# Allegro board 2522-mb-pro_vc.brd (continued)
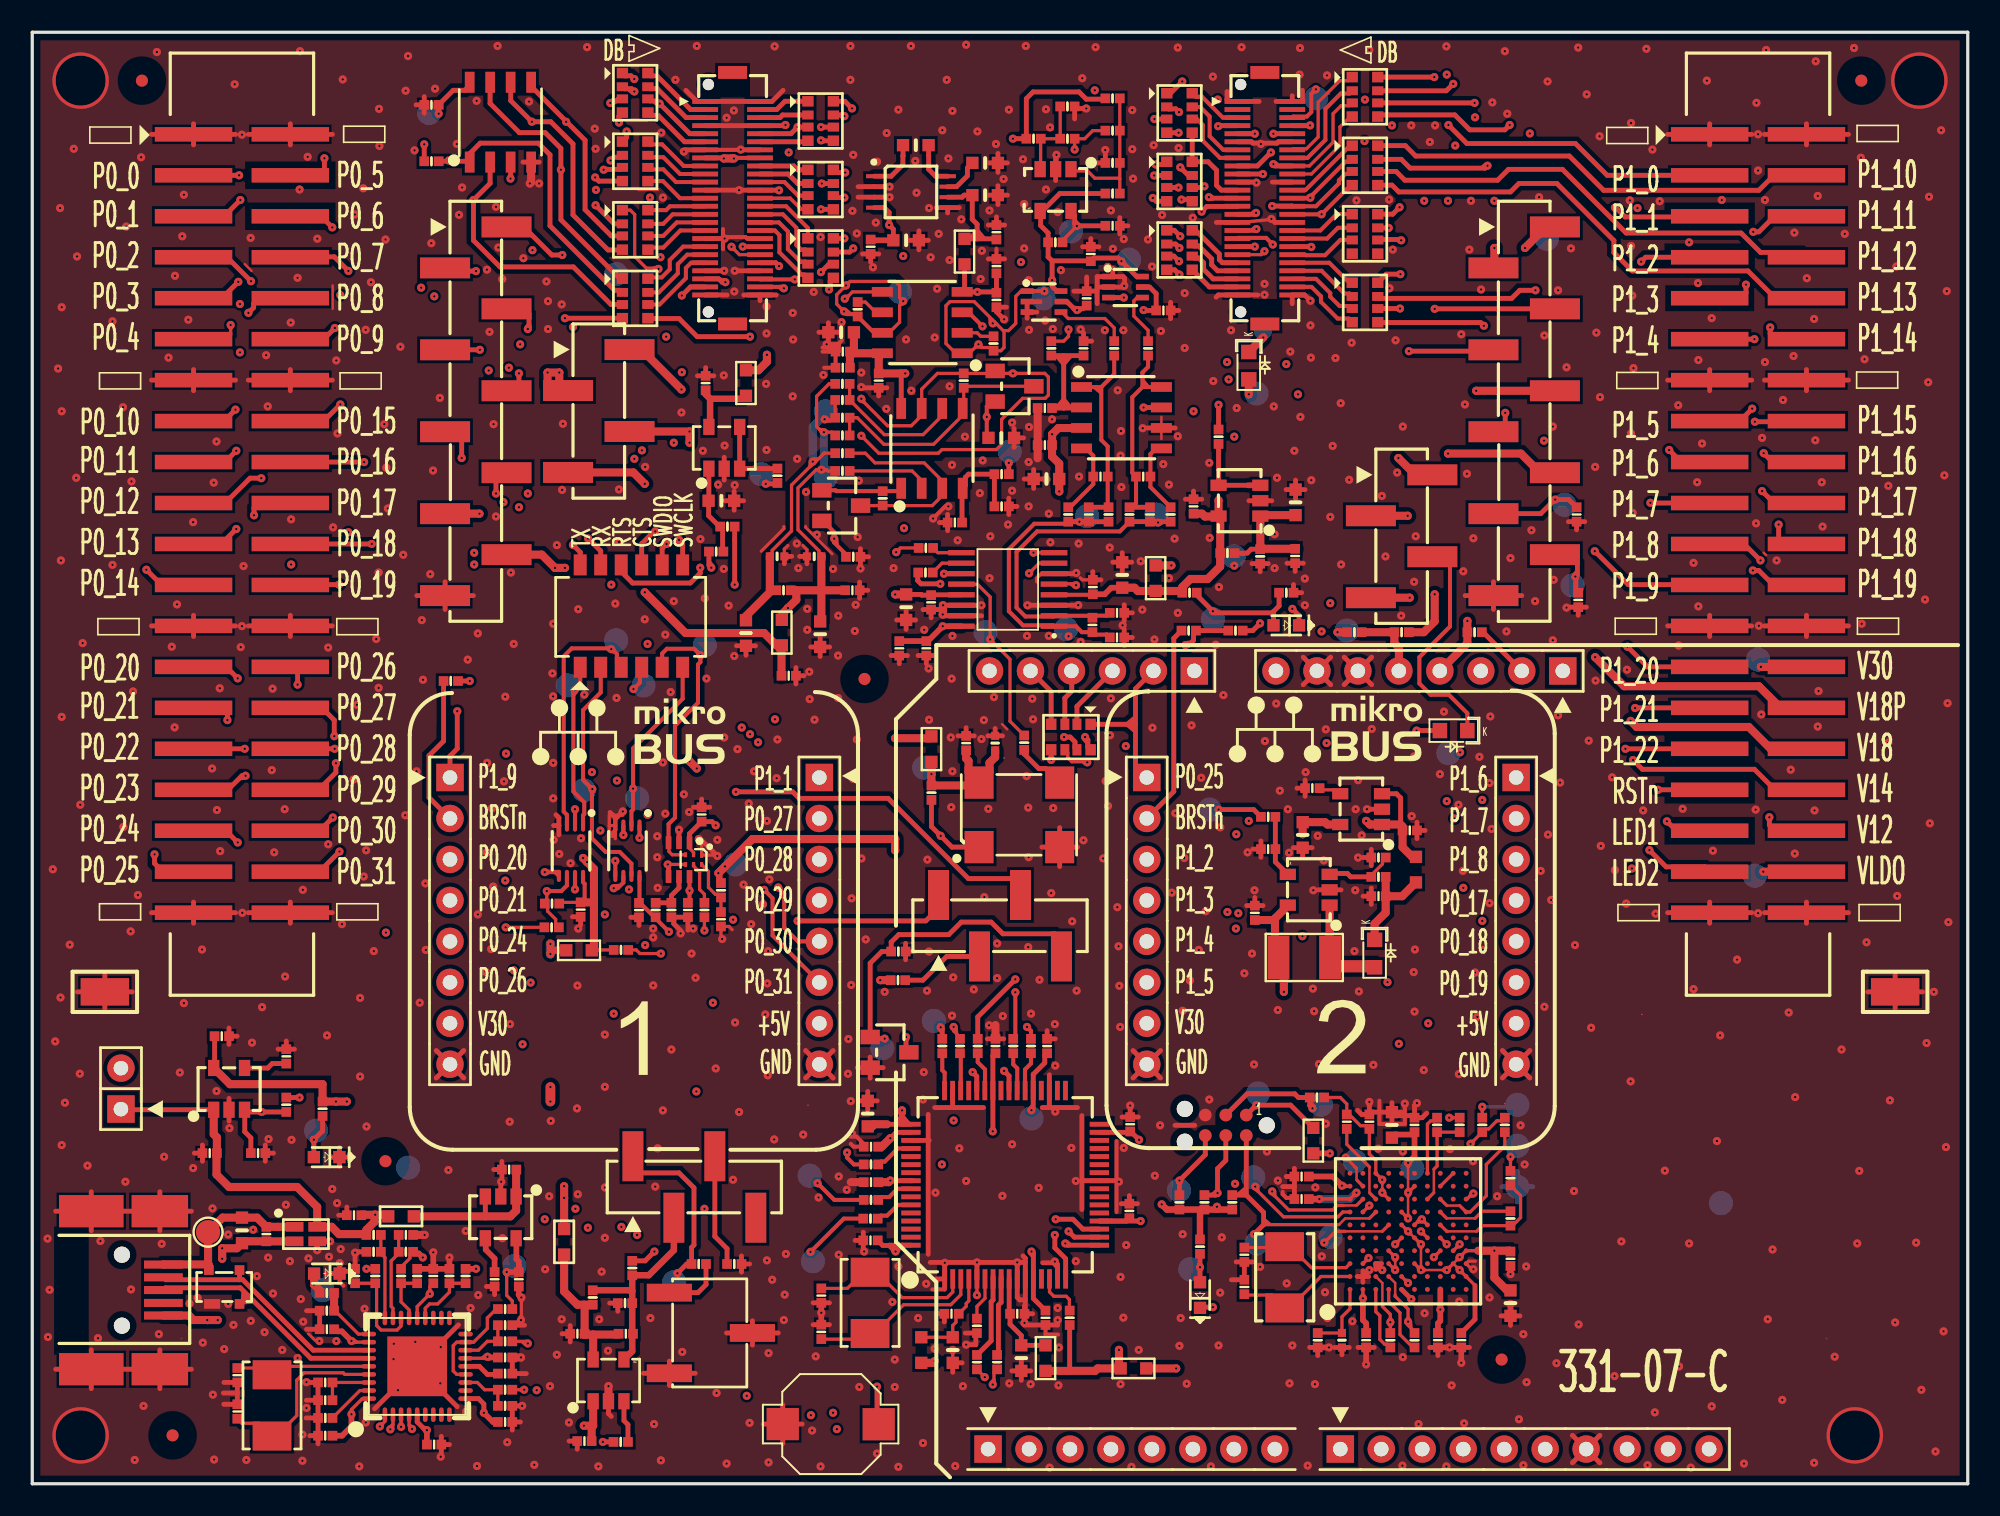
[diagram p0: board, top side]
## Routing (per net, layer and track width the routed paths; a pad name or vN(x,y) marks a point on that pad's centre or on a via; arc(x,y) is an arc through that point) (continued)
V12: length 66.4
  TOP w0.3: C103.1 95.7,55.4 95.7,56.23 v1(95.67,56.25) 95.8,56.38 95.8,57.1 95.29,57.61 J20.9 ; v1(107.7,41.33) 107.7,40.85 108.06,40.49 J4.36 ; v1(75.88,78.8) 75.78,78.71 J2.29
  L3_INT2 w0.15: v1(78.47,67.55) 85.5,60.52 90.78,60.52 95.05,56.25 v1(95.67,56.25) 102.5,56.25 107.7,51.05 v1(107.7,41.33)
  L5_INT4 w0.15: v1(78.47,67.55) 78.47,76.08 75.88,78.68 v1(75.88,78.8)
  BOTTOM w0.5: v1(95.67,56.25) 95.69,56.22 TP31.1
V14: length 72.3
  TOP w0.3: v1(72.95,79.78) 73.03,79.78 73.09,79.71 J2.25 ; v1(99.25,44.88) 99.83,44.3 106.77,44.3 108.04,43.03 J4.34 ; J20.8 93.53,60.15 94.4,61.02 v1(94.42,61.02) 95.27,61.02 C102.2
  L3_INT2 w0.15: v1(74.17,68.47) 74.62,68.03 78.65,68.03 85.65,61.02 v1(94.42,61.02)
  L5_INT4 w0.15: v1(94.42,61.02) 97.55,57.9 97.55,47.77 99.25,46.07 v1(99.25,44.88) ; v1(72.95,79.78) 72.97,79.75 72.97,69.67 v1(74.17,68.47)
V18: length 136.5
  TOP w0.3: v1(72.5,78.87) 72.83,79.2 74.71,79.2 J2.27 ; U2.8 27.12,86.7 26.82,86.4 26.1,86.4 C92.2 v1(25.2,84.95) ; R92.2 v1(24.3,83.05)
  TOP w0.5: J20.1 93.86,77.93 v1(92.55,76.62) ; v1(99.1,47.3) 99.47,46.92 106.42,46.92 107.78,45.57 J4.32
  L3_INT2 w0.3: v1(25.2,84.95) 25.27,85.03 42.38,85.03 43.17,85.83 v1(73.5,85.83)
  L3_INT2 w0.5: v1(73.5,85.83) v1(82.62,85.83)
  L5_INT4 w0.4: v1(24.3,83.05) 24.3,84.06 v1(25.2,84.95)
  L5_INT4 w0.5: v1(99.1,47.3) 98.2,48.2 98.2,58.3 92.55,63.95 v1(92.55,76.62) 92.55,80.52 87.25,85.83 v1(82.62,85.83) ; v1(72.5,78.87) 71.97,79.4 71.97,83.78 73.5,85.3 v1(73.5,85.83)
V18P: length 64.1
  TOP w0.3: v1(76.8,82.55) 75.96,81.71 J2.17
  TOP w0.5: J4.30 108.39,48.11 107.05,49.45 98.7,49.45 v1(96.9,51.25) ; J20.2 90.65,75.44 v1(90.65,76.62)
  L3_INT2 w0.5: v1(76.8,82.55) 77.45,82.55 78.15,81.85 88.35,81.85 v1(90.65,79.55)
  L5_INT4 w0.5: v1(90.65,79.55) v1(90.65,76.62) 90.65,63.05 96.9,56.8 v1(96.9,51.25)
V30: length 187.7
  TOP w0.3: v1(42.1,56.8) 41.95,56.95 R3.1 ; J2.19 v1(76.3,81.21)
  TOP w0.5: v1(88.98,53.5) R143.2 88.98,52.11 J11.4 ; 25.95,28.6 J15.7 ; J20.7 93.48,62.69 92.3,63.88 v1(87.78,63.88) ; J4.28 v1(107.17,50.65)
  L3_INT2 w0.5: J15.7 27.18,29.82 v1(42.2,29.82) 67.83,29.82 J17.7 v1(86.55,28.55) ; J11.4 88.72,48.95 105.47,48.95 v1(107.17,50.65) ; v1(87.78,79.55) 86.4,80.92 76.58,80.92 v1(76.3,81.21)
  L5_INT4 w0.2: v1(42.2,29.82) 42.2,35.2 41.83,35.58 41.83,41.2 42.33,41.7 42.33,56.58 v1(42.1,56.8)
  L5_INT4 w0.5: J11.4 87.27,50.2 86.57,49.5 86.57,28.57 v1(86.55,28.55) ; v1(87.78,79.55) v1(87.78,63.88) 87.78,54.7 v1(88.98,53.5)
VBAT: length 33.7
  TOP w0.3: J2.9 v1(75.8,83.71) ; J20.6 91.03,65.23 91.33,65.53 v1(91.33,66.4)
  L3_INT2 w0.15: v1(88.22,82.97) 87.88,82.62 78.42,82.62 77.9,83.15 76.78,83.15 76.22,83.71 v1(75.8,83.71)
  L5_INT4 w0.15: v1(88.22,82.97) 91.33,79.88 v1(91.33,66.4)
VBAT_IN: length 129.2
  TOP w0.25: J1.16 43.53,82.21 v1(43.5,82.17)
  TOP w0.3: 43.38,82.17 43.34,82.21 J1.15
  TOP w0.5: v1(42.88,82.17) v1(43.5,82.17) ; v1(40.75,44.8) v1(41.2,44.35) ; v1(107.33,37.95) J4.38 ; v1(40.75,64.55) v1(40.75,65.25) J9.3
  L2_INT1 w0.5: v1(42.88,82.17) v1(43.5,82.17) ; v1(40.75,44.8) v1(41.2,44.35)
  L3_INT2 w0.5: v1(107.33,37.95) 100.38,37.95 95.8,42.52 91.08,42.52 86,37.45 48.1,37.45 v1(41.2,44.35) v1(40.75,44.8) ; v1(42.88,82.17) v1(43.5,82.17)
  L4_INT3 w0.5: v1(40.75,44.8) v1(41.2,44.35) ; v1(42.88,82.17) v1(43.5,82.17)
  L5_INT4 w0.5: v1(41.2,44.35) v1(40.75,44.8) v1(40.75,64.55) v1(40.75,65.25) 40.75,65.83 40.92,66 40.92,80.22 v1(42.88,82.17) v1(43.5,82.17)
  BOTTOM w0.5: v1(40.75,44.8) v1(41.2,44.35) ; v1(42.88,82.17) v1(43.5,82.17)
VBATN: length 37.4
  TOP w0.3: J2.7 73.66,84.21 73.62,84.17 v1(73.53,84.17)
  TOP w0.5: v1(89.53,67.77) J20.5
  L3_INT2 w0.5: v1(89.53,67.77) 88.55,68.75 74.88,68.75 v1(74.08,69.55)
  L5_INT4 w0.5: v1(73.53,84.17) 73.15,83.8 73.15,81.17 73.62,80.7 73.62,70 v1(74.08,69.55)
VBUS: length 26.5
  TOP w0.3: J2.10 v1(76.95,83.71) ; v1(85.35,70.22) 90.51,70.22 J20.4
  L3_INT2 w0.15: v1(82.6,83.25) 78.55,83.25 78.09,83.71 v1(76.95,83.71)
  L5_INT4 w0.15: v1(82.6,83.25) 85.35,80.5 v1(85.35,70.22)
VBUS_HUB: length 157
  TOP w0.2: R37.1 v1(41.67,34.3)
  TOP w0.3: U14.1 5.54,23.19 J6.1
  TOP w0.35: v1(80.45,20.48) 79.42,20.48
  TOP w0.5: v1(34.2,3.6) 34.77,3.6 ; 34.77,3.6 U5.1 ; 34.77,3.6 34.68,3.51 C20.1 ; 21.22,16.68 v1(21.27,16.68) 21.97,16.68 LP8.2 ; 21.22,16.68 20.43,16.68 C56.1 ; 21.22,16.68 21.22,16.24 20.72,15.74 R47.1 20.67,15.48 19.02,15.48 18.57,15.93 L1.2 17.66,17.16 16.43,18.4 12.2,18.4 11.43,19.18 11.43,20.48 C79.1 11.45,21.48 11.25,21.68 U14.1 ; R307.1 v1(80.92,52.8)
  L3_INT2 w0.5: v1(80.45,20.48) 80.45,17.07 79.63,16.25 69.77,16.25 68.97,17.05 v1(41.67,17.05) v1(33.67,17.05) 23.18,17.05 22.8,16.68 v1(21.27,16.68)
  L5_INT4 w0.2: v1(41.67,34.3) v1(41.67,17.05)
  L5_INT4 w0.5: v1(34.2,3.6) 34.2,14.55 33.67,15.07 v1(33.67,17.05) ; v1(80.92,52.8) 80.92,20.96 v1(80.45,20.48)
VBUSN: length 47.4
  TOP w0.3: v1(79.22,84.22) 79.21,84.21 J2.8 ; v1(86.95,72.85) J20.3
  TOP w0.5: v1(86.95,55.15) 86.95,53.48 86.28,52.8 R305.1
  L3_INT2 w0.5: v1(79.22,84.22) v1(84.3,84.22)
  L5_INT4 w0.5: v1(84.3,84.22) 84.3,83.35 86.95,80.7 v1(86.95,72.85) v1(86.95,55.15)
VDD_3V3_HUB: length 59.2
  TOP w0.2: v1(19.79,4.3) 19.79,4.61 20.46,5.28 U11.36 ; R59.2 v1(20.72,13.33) ; v1(19.79,8.86) 19.86,8.78 U11.29 ; v1(28.23,7.88) 28.13,7.78 U11.15 ; v1(29.41,13.13) 29.41,11.68 29.76,11.33 R46.1 ; 24.86,12.43 24.65,12.22 v1(24.65,11.78) 23.86,10.99 U11.23 ; R48.1 23.41,14.18 23.41,13.98 22.86,13.43 R62.2
  TOP w0.3: U11.10 27.66,5.28 28,4.95 v1(28,4.4) ; U11.5 23.86,3.84 24.38,3.33 v1(24.47,3.33) ; 30.02,15.09 30,15.11 U13.5
  TOP w0.35: v1(19.79,4.3) 19.79,3.56 19.21,2.98 C68.1 ; R48.1 23.71,14.28 23.96,14.28 v1(24.21,14.03) ; R66.2 27.51,13.33 v1(27.52,13.33) ; 30.02,15.09 30.02,13.93 30.16,13.78 30.16,13.13 29.42,13.13 v1(29.41,13.13) ; C72.2 28.57,3.83 v1(28,4.4) ; v1(24.47,3.33) C73.2 ; v1(19.79,8.86) 19.2,9.45 18.95,9.45 18.82,9.58 C69.1 ; v1(28.23,7.88) 28.27,7.83 C71.2
  L3_INT2 w0.5: v1(24.21,14.03) 24.21,14.02 ; 24.21,14.02 21.41,14.02 v1(20.72,13.33) ; 24.21,14.02 24.91,13.33 v1(27.52,13.33) 29.22,13.33 v1(29.41,13.13) ; v1(24.47,3.33) 26.93,3.33 v1(28,4.4)
  L5_INT4 w0.5: v1(29.41,13.13) 29.41,10.78 28.23,9.59 v1(28.23,7.88) 28.23,4.62 v1(28,4.4) ; v1(19.79,4.3) v1(19.79,8.86) 19.79,12.4 v1(20.72,13.33) ; v1(24.21,14.03) 24.65,13.6 v1(24.65,11.78)
VDD_3V3_PERF: length 228.1
  TOP w0.152: v1(83.7,18.85) v1(83.7,18.05) ; v1(86.1,14.85) v1(86.1,13.25) v1(87.7,13.25) ; U4.F5 v1(85.3,15.65) ; v1(88.5,13.25) U4.J3 v1(88.5,14.05)
  TOP w0.2: U4.B3 v1(82.85,14) ; v1(79.8,17.65) U4.A8 v1(82.1,18.05) ; v1(83.7,18.85) U4.C10 83.3,20.05 82.9,20.45 C10.2 82.7,22.2 82.35,22.2 81.65,22.9 C16.2 81.5,23.55 81.1,23.95 80.1,23.95 ; v1(88.5,14.05) U4.K4 89.65,14.45 ; 89.45,12.3 U4.K2 v1(88.5,13.25) ; R11.1 72.41,17 72.4,16.99 ; v1(87.7,13.25) U4.J3 ; U4.E6 v1(85.3,15.65) ; v1(83.7,18.05) U4.D8 ; U4.F3 v1(86.1,13.25) ; v1(86.1,14.85) U4.F5
  TOP w0.3: C80.2 11.3,25.83 U14.5 ; U20.4 52.83,79.12 53.12,78.83 v1(53.12,78.05) 53.39,77.79 C113.1 ; 89.45,12.3 89.45,10.2 C11.2
  TOP w0.35: C114.2 52.03,77.1 C113.1
  TOP w0.4: R10.1 74.4,17 73.45,17 ; v1(73.45,17.18) 73.45,17 ; 73.45,17 72.68,17 R11.1 ; v1(79.8,17.65) C12.2 ; v1(70.03,17.32) 70.35,17 71.12,17 R13.1 72.39,17 72.4,16.99 72.4,15.15
  TOP w0.45: LP9.1 32.19,33.08 32.12,33.14 ; v1(32.12,32.85) 32.12,33.14 ; 32.12,33.14 v1(32.12,33.48)
  TOP w0.5: v1(90.65,14.45) 90.65,12.78 91.43,11.99 C14.2 ; v1(90.65,14.45) 89.65,14.45 ; v1(90.65,14.45) 91.6,14.45 C13.2 ; v1(19.5,23.7) v1(18.82,23.7) R70.2 18,24.77 12.26,24.77 U14.5
  TOP w0.6: v1(32.12,24.6) v1(32.12,23.7)
  L2_INT1 w0.5: v1(18.82,23.7) v1(19.5,23.7)
  L2_INT1 w0.6: v1(32.12,33.48) v1(32.12,32.85) ; v1(32.12,24.6) v1(32.12,23.7)
  L2_INT1 w0.75: v1(73.45,17.18) 79.33,17.18 v1(79.8,17.65) U4.A8 v1(82.1,18.05) v1(83.7,18.05) v1(83.7,18.85)
  L3_INT2 w0.35: v1(83.7,18.05) v1(83.7,18.85) ; v1(83.7,18.05) 83.7,17.25 v1(85.3,15.65) ; v1(83.7,18.05) v1(82.1,18.05) ; v1(90.65,14.45) U4.K4 v1(88.5,14.05) v1(88.5,13.25) v1(87.7,13.25) v1(86.1,13.25) v1(86.1,14.85)
  L3_INT2 w0.5: v1(32.12,33.48) v1(32.12,32.85) ; v1(79.8,17.65) 79.4,17.25 ; 73.38,17.25 73.53,17.25 v1(73.45,17.18) 73.38,17.25
  L3_INT2 w0.6: v1(32.12,23.7) v1(32.12,24.6)
  L3_INT2 w0.7: 73.38,17.25 70.1,17.25 v1(70.03,17.32) 67.55,19.8 v1(56.4,19.8) 36.02,19.8 v1(32.12,23.7) 32.08,23.7 32.07,23.7 v1(19.5,23.7) v1(18.82,23.7) ; 79.4,17.25 73.53,17.25
  L4_INT3 w0.5: v1(18.82,23.7) v1(19.5,23.7)
  L4_INT3 w0.6: v1(32.12,24.6) v1(32.12,23.7) ; v1(32.12,33.48) v1(32.12,32.85)
  L5_INT4 w0.35: v1(86.1,14.85) v1(85.3,15.65) 84.5,15.65 v1(82.85,14)
  L5_INT4 w0.4: v1(53.12,78.05) 52.92,77.85 52.92,67.72 54.65,66 54.65,28.58 56.4,26.83 v1(56.4,19.8)
  L5_INT4 w0.5: v1(18.82,23.7) v1(19.5,23.7)
  L5_INT4 w0.6: v1(32.12,33.48) v1(32.12,32.85) v1(32.12,24.6) v1(32.12,23.7)
  BOTTOM w0.5: v1(82.1,18.05) U4.A8 v1(79.8,17.65)
  BOTTOM w0.6: v1(32.12,33.48) v1(32.12,32.85) ; v1(32.12,24.6) v1(32.12,23.7)
VDD_CORE: length 38.8
  TOP w0.152: v1(85.3,16.45) v1(85.3,18.05) v1(85.3,19.9) ; v1(84.5,14.05) v1(84.5,13.25)
  TOP w0.2: U4.B1 v1(82.5,11.5) ; U4.E7 v1(85.3,16.45) ; U4.G5 v1(86.1,15.65) ; v1(81.2,18.48) 81.23,18.45 U4.A9 ; U4.D4 v1(84.5,14.05) ; U4.F9 v1(85.3,18.05) ; U4.D3 v1(84.5,13.25)
  TOP w0.35: v1(85.3,19.9) 85.7,20.3 C6.2 85.55,21.65 84.49,21.65 C15.2 ; v1(81.2,18.48) 80.63,19.05 C7.2 ; C8.2 87.15,9.95 87.3,10.1 v1(87.3,10.8) U4.H1 ; v1(82.5,11.5) 82.5,10.15 82.7,9.95 C9.2
  L3_INT2 w0.35: 85.3,19.75 84.95,19.39 ; 85.3,19.75 v1(85.3,19.9) ; 85.3,19.75 85.3,19.05 ; 84.95,19.39 84.84,19.5 82.22,19.5 v1(81.2,18.48) ; 84.95,19.39 84.95,19.39 85.3,19.05 ; 84.5,13.4 84.65,13.25 85.3,13.25 87.3,11.25 v1(87.3,10.8) ; 84.5,13.4 v1(84.5,14.05) 84.53,14.07 84.68,14.07 85.45,14.85 85.45,15 v1(86.1,15.65) v1(85.3,16.45) v1(85.3,18.05) 85.3,19.05 ; 84.5,13.4 v1(84.5,13.25) 82.75,11.5 v1(82.5,11.5)
VDDIO: length 41.6
  TOP w0.2: U3.2 41,39.15 40.75,39.4 U21.1
  TOP w0.25: U22.8 37.65,36.05 C116.1 37.68,36.02 38.57,35.13 R4.1 38.65,35.05 v1(39.48,34.23)
  TOP w0.3: v1(45.48,62) 46.15,62 R72.1 ; v1(42.38,40.83) 42.15,41.05 C3.2 40.75,40.3 U21.1
  L3_INT2 w0.2: v1(43.45,34.98) 40.23,34.98 v1(39.48,34.23)
  L5_INT4 w0.2: v1(43.45,34.98) 43.45,39.75 v1(42.38,40.83) 45.52,43.98 45.52,61.95 v1(45.48,62)
VINN: length 20
  TOP w0.25: C39.2 66.73,54 66.56,53.83 65.86,53.83 C37.2 65.61,53.82 U8.2 63.3,53.77 61.58,53.77 61.02,54.33 61.02,57.77 62.3,59.05 67.43,59.05 R26.1
  TOP w0.3: R31.2 69.85,59.65 v1(69.8,59.6) 69.75,59.65 C119.1 R26.1
VINP: length 18.2
  TOP w0.25: C35.1 66.63,52.65 65.88,52.65 C37.1 65.08,52.8 64.71,53.17 U8.1 63.3,53.23 61.42,53.23 60.55,54.1 60.55,57.95 62.12,59.52 64.1,59.52 R34.2
  TOP w0.3: v1(64.92,59.65) 66.73,59.65 R35.1 ; v1(64.92,59.65) 64.93,59.65 C120.1 ; v1(64.92,59.65) 64.63,59.65 64.63,59.65 R34.2
-VGG: length 18.3
  TOP w0.2: U9.4 57.66,73.9
  TOP w0.3: R151.2 v1(60.55,63.3) ; LP3.1 57.8,74.04 57.66,73.9 v1(58.6,73.9) 59.73,73.9 C108.2 C107.1
  L5_INT4 w0.15: v1(60.55,63.3) 58.1,65.75 58.1,73.4 v1(58.6,73.9)
  BOTTOM w0.15: v1(60.55,63.3) 60.55,63.46 60.56,63.46 TP70.1
_ADC0: length 12.4
  TOP w0.25: RN8.2 81.69,81.97 81.42,81.97 79.24,79.79 v1(79.24,79.74) 79.21,79.71 J2.26
  TOP w0.3: RN9.6 72.59,80.37 v1(72.67,80.45)
  L3_INT2 w0.15: v1(72.67,80.45) 73.2,80.45 73.91,79.74 v1(79.24,79.74)
_ADC1: length 60.4
  TOP w0.2: v1(44.05,76.71) J1.38
  TOP w0.3: RN13.5 38.19,72.25 40.1,72.25 41.23,71.12 v1(44.5,71.12) ; v1(65.28,46.3) 65.45,46.12 65.45,45.68 RN14.8
  L3_INT2 w0.15: v1(44.5,46.48) 44.85,46.83 64.75,46.83 v1(65.28,46.3)
  L5_INT4 w0.15: v1(44.05,76.71) 44.5,76.26 v1(44.5,71.12) v1(44.5,46.48)
_ADC2: length 63.3
  TOP w0.3: RN3.3 v1(47.45,84.12) 47.04,83.71 J1.10 ; RN14.7 64.65,45.63 64.65,46 64.35,46.3 v1(63.97,46.3)
  L3_INT2 w0.15: v1(45,45.98) 45.7,45.27 61.38,45.27 62.4,46.3 v1(63.97,46.3)
  L5_INT4 w0.15: v1(47.45,84.12) 47.45,82.4 45,79.95 v1(45,45.98)
_ADC3: length 75.6
  TOP w0.2: v1(65.41,44.73) 65.37,44.77 64.45,44.77 64.2,45.02 64.2,45.33 RN14.6
  TOP w0.3: RN1.6 38.29,85.75 38.73,85.75 v1(38.9,85.58) 40.77,83.71 J1.9
  L3_INT2 w0.15: v1(38.9,85.58) 42.17,85.58 42.9,86.3 61.65,86.3 61.75,86.4 v1(65.88,86.4)
  L5_INT4 w0.15: v1(65.88,86.4) 66,86.28 66,51.4 65.75,51.15 65.75,45.07 v1(65.41,44.73)
_ADC4: length 51
  TOP w0.25: RN8.4 81.62,80.3 81.53,80.3 v1(79.94,78.71) 79.94,78.71 J2.30
  TOP w0.3: v1(63.17,44.88) RN14.5
  L3_INT2 w0.15: v1(79.94,52.85) 76.4,52.85 68.78,45.23 63.52,45.23 v1(63.17,44.88)
  L5_INT4 w0.15: v1(79.94,52.85) v1(79.94,78.71)
_ADC5: length 12.5
  TOP w0.25: RN8.3 81.69,81.22 81.41,81.22 81.01,80.82 81.01,80.63 79.59,79.21 J2.28
  TOP w0.3: RN9.5 71.81,79.62 v1(71.25,79.62) ; v1(76.88,79.22) 78.11,79.22 J2.28
  L3_INT2 w0.15: v1(76.88,79.22) 76.83,79.28 72.8,79.28 72.45,79.62 v1(71.25,79.62)
_PWM1: length 14.4
  TOP w0.2: RN7.3 81.67,85.45 81.15,85.45 80.65,84.95 80.65,83.17 79.19,81.71 J2.18
  TOP w0.3: v1(71.17,81.62) 71.68,81.12 RN9.7 ; v1(76.95,81.83) 77.06,81.71 J2.18
  L3_INT2 w0.15: v1(71.17,81.62) 71.22,81.67 76.8,81.67 v1(76.95,81.83)
_PWM2: length 5.9
  TOP w0.3: RN5.5 RN9.8 72.91,81.97 73.42,81.45 73.42,80.51 73.72,80.21 J2.23
A_D4_2: length 1.8
  TOP w0.3: D2.2 v1(72.4,13.43) R18.2
AD_DI: length 77.9
  TOP w0.2: v1(62.08,57.73) U8.8
  TOP w0.25: R63.2 60.95,27.72 v1(60.95,30.48)
  TOP w0.3: v1(30.73,71.6) 30.73,71.65 30.8,71.72 30.8,72.53 30.48,72.85 J19.3
  L3_INT2 w0.15: v1(62.08,57.73) 61.67,57.73 61.53,57.88 56.1,57.88 53.05,60.92 31.2,60.92 v1(30.73,61.4)
  L5_INT4 w0.15: v1(30.73,71.6) v1(30.73,61.4) ; v1(60.95,30.48) 60.45,30.98 60.45,56.1 v1(62.08,57.73)
AD_DO: length 87.1
  TOP w0.2: R39.1 53.83,58.02 v1(53.56,57.76)
  TOP w0.3: Q3.3 54.17,26.93 v1(54.17,27.7) ; v1(27.51,75.19) 25.8,75.19 J19.2 ; v1(60.25,25.6) 60.56,25.29 U12.40
  L3_INT2 w0.15: v1(54.17,27.7) 54.25,27.7 55.35,26.6 59.25,26.6 v1(60.25,25.6) ; v1(27.4,57.73) 53.53,57.73 v1(53.56,57.76)
  L5_INT4 w0.15: v1(27.4,57.73) 27.1,58.02 27.1,74.78 v1(27.51,75.19) ; v1(53.56,57.76) 54.12,57.2 54.12,27.75 v1(54.17,27.7)
AD_DRDY: length 73.3
  TOP w0.3: J19.6 26.18,65.23 26.62,64.78 v1(26.62,63.6) ; v1(58.3,25.52) 58.56,25.27 U12.44 ; R40.2 54.9,56.47 54.9,56 55.1,55.8 v1(56.3,55.8)
  L3_INT2 w0.15: v1(27.4,57) 27.68,57.27 53.92,57.27 55.4,55.8 v1(56.3,55.8)
  L5_INT4 w0.15: v1(58.3,25.52) 57.73,26.1 57.73,54.42 56.35,55.8 v1(56.3,55.8) ; v1(26.62,63.6) 26.62,57.77 v1(27.4,57)
AD_MODE: length 83.2
  TOP w0.2: U8.5 63.37,55.8 64.53,55.8 64.61,55.72 v1(64.72,55.72)
  TOP w0.25: R68.2 50.94,19.8 50.52,20.22 v1(50.52,20.54)
  TOP w0.3: J19.7 29.05,62.69 28.75,62.39 v1(28.75,61.4)
  L3_INT2 w0.15: v1(64.72,55.72) 63.19,55.72 61.48,57.42 55.9,57.42 54.08,59.25 v1(54.05,59.25) 54.05,59.28 52.88,60.45 30.98,60.45 30.03,61.4 v1(28.75,61.4)
  L5_INT4 w0.15: v1(54.05,59.25) 52.83,58.02 52.83,32.38 51.9,31.45 51.9,21.92 v1(50.52,20.54)
AD_SCLK: length 73.5
  TOP w0.25: R61.2 61.92,28.08 v1(61.67,28.32)
  TOP w0.3: v1(27.75,70.31) J19.4 ; U8.11 56.53,56.43 v1(56.52,56.42)
  L3_INT2 w0.15: v1(56.52,56.42) 55.58,56.42 52.48,59.52 30.55,59.52 v1(29.21,60.86)
  L5_INT4 w0.15: v1(27.75,70.31) 29.21,68.85 v1(29.21,60.86) ; v1(61.67,28.32) 58.25,31.75 58.25,54.63 56.52,56.35 v1(56.52,56.42)
AD_SYNC: length 75.5
  TOP w0.2: U8.7 62.43,57.08 v1(61.8,56.45)
  TOP w0.3: J19.5 29.88,67.77 30.18,68.07 v1(30.18,68.85) ; v1(60.95,31.27) 58.62,28.95 R67.2
  L3_INT2 w0.15: v1(30.18,60.55) 30.75,59.98 52.67,59.98 55.67,56.98 61.23,56.98 61.75,56.45 v1(61.8,56.45)
  L5_INT4 w0.15: v1(30.18,60.55) v1(30.18,68.85) ; v1(61.8,56.45) 61.02,55.67 61.02,51.45 60.8,51.23 60.8,49.48 61.02,49.25 61.02,31.35 v1(60.95,31.27)
ADC0: length 82.8
  TOP w0.3: v1(26.35,47.9) 26.35,45.58 25.9,45.13 J15.1 ; RN9.3 v1(71.07,80.37)
  L3_INT2 w0.15: v1(26.35,47.9) 26.4,47.95 69.6,47.95 J13.1
  L5_INT4 w0.15: J13.1 72.05,52.45 72.5,52.9 72.5,76.8 70.75,78.55 70.75,80.05 v1(71.07,80.37)
ADC1: length 10.1
  TOP w0.3: 68.4,47.09 68.4,44.49 J17.1 ; 68.4,47.09 68.4,49.29 J13.2 ; 68.4,47.09 RN14.1
ADC2: length 4.2
  TOP w0.3: J13.3 64.77,48.2 RN14.2
ADC3: length 3.5
  TOP w0.3: RN14.3 64.02,48.72 64.45,49.15 64.45,50.38 J13.4
ADC4: length 3.8
  TOP w0.3: RN14.4 63.17,49.12 J13.5
ADC5: length 36.9
  TOP w0.3: RN9.4 69.68,79.52 v1(69.47,79.72)
  L3_INT2 w0.15: v1(61.3,75.75) 65.5,75.75 v1(69.47,79.72)
  L5_INT4 w0.15: v1(61.3,75.75) 61.3,57.83 59.9,56.42 59.9,50.95 J13.6
BRSTN: length 66.3
  TOP w0.25: v1(33.65,41.83) U23.2
  TOP w0.3: v1(71.5,52) 71.7,52 72,52.3 72,52.75 R146.1 R144.1 ; R145.1 v1(27.12,49.77)
  L3_INT2 w0.15: v1(33.65,41.83) 35.9,41.83 36.25,42.17 37.45,42.17 v1(38.15,41.48) ; v1(27.12,49.77) 35.85,49.77 v1(38.15,52.08) 57.75,52.08 58.23,51.6 71.1,51.6 v1(71.5,52)
  L5_INT4 w0.15: v1(38.15,41.48) 38.19,41.52 38.19,51.88 38.15,51.92 v1(38.15,52.08)
C_TRIG: length 20.2
  TOP w0.3: J8.4 63.81,33.69 63.4,34.1 60.18,34.1 59.45,34.83 57.6,34.83 56.83,34.05 53.73,34.05 53.25,33.58 R120.1 52.67,33 51.95,32.27 Q3.1 52.05,27.6 v1(52.85,27.6)
D0: length 145.2
  TOP w0.3: v1(99.75,75.78) 100.03,76.05 J4.7 ; v1(71.1,85.05) 70.9,85.25 70.46,85.25 RN5.2
  L3_INT2 w0.15: v1(89.9,42.4) 89.9,42.32 85.7,38.12 70.97,38.12 70.39,38.71 J17.3 ; v1(89.45,84.72) 88.95,85.22 71.28,85.22 v1(71.1,85.05)
  L5_INT4 w0.15: J17.3 65.3,34.91 65.3,6.67 62.27,3.65 60.73,3.65 59.26,2.19 J14.1 ; v1(89.45,84.72) 95.6,78.58 98.53,78.58 99.83,77.28 99.83,75.85 v1(99.75,75.78) 99.85,75.67 99.85,44.8 97.58,42.52 90.03,42.52 v1(89.9,42.4)
D1: length 143.1
  TOP w0.3: v1(106.25,74.35) 106.25,73.83 105.95,73.53 104.02,73.53 J4.9 ; RN7.7 87.67,86.37 v1(88.1,86.8)
  L3_INT2 w0.15: v1(88.72,36.95) 88.1,36.33 71.38,36.33 71.08,36.02 69.25,36.02 J17.4
  L5_INT4 w0.15: J14.2 61.8,2.23 65.8,6.22 65.8,32.87 J17.4 ; v1(88.1,86.8) 91.38,86.8 96.95,81.22 101.15,81.22 106.25,76.12 v1(106.25,74.35) 106.25,67.9 109.28,64.88 109.28,46.08 100.62,37.42 89.2,37.42 v1(88.72,36.95)
D2: length 155.6
  TOP w0.3: v1(106.78,70.97) J4.11 ; v1(71.3,86.95) 70.57,86.22 RN5.1
  L3_INT2 w0.15: v1(87.7,87.38) 87.2,87.88 72.22,87.88 v1(71.3,86.95) ; J17.5 70.37,34.9 v1(89.9,34.9)
  L5_INT4 w0.15: v1(87.7,87.38) 91.6,87.38 97.15,81.83 101.35,81.83 106.78,76.4 v1(106.78,70.97) 106.78,68.2 109.78,65.2 109.78,45.83 98.85,34.9 v1(89.9,34.9) ; J14.3 64.34,3.87 66.33,5.85 66.33,30.86 J17.5
D3: length 136.6
  TOP w0.3: v1(106.64,66.66) 105.88,65.9 104.01,65.9 J4.15 ; v1(86.92,87.22) RN7.8
  L3_INT2 w0.15: v1(99.17,38.15) 93.33,32.3 71.53,32.3 70.32,31.09 J17.6
  L5_INT4 w0.15: J17.6 66.83,28.82 66.83,2.21 J14.4 ; v1(86.92,87.22) 87.89,86.25 91.12,86.25 96.72,80.65 100.95,80.65 105.72,75.88 105.72,67.57 v1(106.64,66.66) 108.75,64.55 108.75,46.35 100.55,38.15 v1(99.17,38.15)
D4: length 123.2
  TOP w0.3: v1(91.6,84.25) 91.3,83.95 89.12,83.95 88.2,84.88 83.53,84.88 RN7.5 ; J4.19 100.34,60.81 v1(100.33,60.83)
  L3_INT2 w0.15: J18.2 90.72,39.98 90.72,38.15 88.42,35.85 74.5,35.85 v1(74.1,35.45)
  L5_INT4 w0.15: v1(74.1,35.45) 73.47,34.83 73.47,20.1 69.42,16.05 J14.5 ; v1(91.6,84.25) 96.2,79.65 98.27,79.65 100.33,77.6 v1(100.33,60.83) 100.33,44.55 97.8,42.02 92.78,42.02 J18.2
D5: length 141.9
  TOP w0.3: v1(107.15,57.25) 106.13,58.27 J4.21 ; RN6.1 70.81,77.72 v1(71.17,77.35)
  L3_INT2 w0.15: v1(74.78,35.38) 88.72,35.38 92,38.65 J18.3 ; v1(107.15,57.25) 108.8,58.9 108.8,65.97 97.17,77.6 84.62,77.6 84.33,77.3 71.22,77.3 v1(71.17,77.35)
  L5_INT4 w0.15: J18.3 100.36,38.71 108.22,46.58 108.22,56.17 v1(107.15,57.25) ; J14.6 69.92,4.18 69.92,15.8 74.05,19.93 74.05,34.65 v1(74.78,35.38)
DFSDM: length 4.3
  TOP w0.2: U4.D1 84.1,11.3 84.8,10.6 84.8,9.25 85.6,8.45 85.7,8.45
DFSDP: length 4.1
  TOP w0.2: 84.2,8.45 84,8.65 83.85,8.65 83.55,8.95 83.55,10.42 83.3,10.67 U4.C1
ERASE: length 4.5
  TOP w0.152: 81.4,15.65 83.7,15.65
  TOP w0.2: 81.4,15.65 80.8,15.65 v1(80.1,14.95) ; 83.7,15.65 U4.D6
HDRVM: length 75
  TOP w0.25: v1(46.6,74.12) 46.58,74.12 46.49,74.21 J1.48
  TOP w0.5: J10.2 v1(85.28,60.02)
  L5_INT4 w0.2: v1(85.28,60.02) 85.28,63.82 83.5,65.6 83.5,81.58 76.68,88.4 55.3,88.4 46.8,79.9 46.8,74.93 46.6,74.73 v1(46.6,74.12)
HDRVP: length 70
  TOP w0.25: J1.46 45.16,74.67 v1(47.27,74.67)
  TOP w0.5: J10.1 85.74,62.56 v1(84.7,63.6)
  L5_INT4 w0.2: v1(84.7,63.6) 83,65.3 83,81.27 76.37,87.9 55.45,87.9 47.27,79.72 v1(47.27,74.67)
IOREF: length 3.5
  TOP w0.3: R143.1 89.95,52.8 J11.2
JRST: length 14.4
  TOP w0.25: J10.3 JS6.1 87.61,57.47 87.9,57.17 87.9,53.15 86,51.25 86,49.62 86.7,48.92 87.83,48.92 88.97,47.77 D3.1
LED1: length 67.1
  TOP w0.25: J2.33 75.81,77.71 v1(75.9,77.8)
  TOP w0.3: v1(101.35,41.08) 101.94,40.49 J4.35
  L3_INT2 w0.3: v1(99.53,79.1) 98.97,78.55 84.03,78.55 83.3,77.83 75.92,77.83 v1(75.9,77.8)
  L5_INT4 w0.3: v1(101.35,41.08) 101.35,43.65 100.9,44.1 100.9,77.83 99.62,79.1 v1(99.53,79.1)
LED2: length 62.8
  TOP w0.25: J2.35 74.76,77.25 76.5,77.25 v1(76.91,76.84)
  TOP w0.3: J4.37 103.7,38.25 101.3,38.25 v1(100.26,39.29)
  L3_INT2 w0.3: v1(100.26,39.29) 93.62,45.92 v1(80.25,45.92)
  L5_INT4 w0.3: v1(76.91,76.84) 76.95,76.8 76.95,76.78 77.53,76.2 77.53,71.33 76.28,70.08 76.28,55.2 78.4,53.08 78.4,47.77 v1(80.25,45.92)
M33_SWCLK: length 11.1
  TOP w0.25: S1.6 40.33,48.67 37.25,45.6 v1(37.25,43.1) 37.25,41.8 37.15,41.7 U22.2
M33_SWDIO: length 17.6
  TOP w0.2: U3.3 39.68,39 39.48,39.2 39.48,39.73 U21.3
  TOP w0.25: U21.3 39.45,40.9 39.85,41.3 39.85,47 41.27,48.42 41.27,50.8 41.42,50.95 v1(41.42,51.38) 41.02,51.77 39.35,51.77 39.05,51.48 S1.5
NRST: length 15.4
  TOP w0.2: U4.B7 v1(82.9,17.25)
  TOP w0.3: v1(79.38,23.27) 79.2,23.45 R12.2 78.5,23.95 78.27,24.18 75.31,24.18 J7.3
  L5_INT4 w0.15: v1(82.9,17.25) 81.57,17.25 79.38,19.45 v1(79.38,23.27)
NRSTB: length 5.1
  TOP w0.152: 82.91,19.64 82.91,18.04 82.95,18
  TOP w0.2: 82.95,18 U4.C8 ; C16.1 81.5,21.05 82.91,19.64
OSC_EN: length 81.2
  TOP w0.3: v1(56.32,28.3) 56.42,28.2 R82.2 ; R77.2 55.75,40.74 v1(56.32,40.17) 57.02,39.48 Y2.1 ; J19.1 30.47,77.93 32.21,76.19 v1(32.86,76.19)
  L3_INT2 w0.15: v1(54,76.12) 43.08,76.12 42,77.2 33.88,77.2 v1(32.86,76.19)
  L5_INT4 w0.15: v1(56.32,28.3) v1(56.32,40.17) 56.32,52.63 55.27,53.67 55.27,66.15 53.52,67.9 53.52,75.65 v1(54,76.12)
P0_0: length 36.8
  TOP w0.3: U2.5 30.93,86.91 30.93,86.65 33.13,84.45 ; v1(33.1,84.45) 33.13,84.45 ; 33.13,84.45 34.27,83.3 34.27,79 35.9,77.38 36.59,77.38 RN10.3 ; J3.3 v1(12.82,81.13)
  L3_INT2 w0.15: v1(33.1,84.45) 31.8,84.45 31.23,83.88 20.6,83.88 17.86,81.13 v1(12.82,81.13)
P0_1: length 33.9
  TOP w0.3: v1(12.9,79.6) 11.89,78.59 J3.5 ; U2.2 28.39,81.94 28.39,80.63 27.36,79.6 ; RN13.3 35.88,73.12 33.55,75.45 29,75.45 27.36,77.09 27.36,79.6 ; 27.36,79.6 v1(27.35,79.6)
  L5_INT4 w0.15: v1(12.9,79.6) v1(27.35,79.6)
P0_2: length 55.9
  TOP w0.3: v1(49.4,74.05) 49.48,74.12 49.48,74.58 RN11.5 ; U2.3 29.66,80.92 v1(29.65,80.92) ; J3.7 12.07,76.05 v1(13.56,74.56)
  L3_INT2 w0.15: v1(29.65,80.92) 19.93,80.92 v1(13.56,74.56) ; v1(49.4,74.05) 46,70.65 v1(30.25,70.65)
  L5_INT4 w0.15: v1(30.25,70.65) 30.25,75.33 29.65,75.92 v1(29.65,80.92)
P0_3: length 42.7
  TOP w0.3: RN13.1 36.43,74.72 32.77,78.38 v1(32.77,81.47) 32.77,82.8 31.8,83.78 30.2,83.78 28.39,85.59 28.39,86.83 28.39,86.83 U2.7 ; v1(12.78,74.53) 11.76,73.51 J3.9
  L3_INT2 w0.15: v1(32.77,81.47) 19.73,81.47 v1(12.78,74.53)
P0_4: length 41.2
  TOP w0.2: v1(12.3,71.85) 12.3,71.25 12.02,70.97 J3.11
  TOP w0.3: RN13.2 36.46,74 36.1,74 32.1,78 32.1,82.4 31.38,83.12 27.77,83.12 27.12,82.47 27.12,81.94 U2.1 27.07,82 25.88,82 ; 25.88,82 R92.1 ; 25.88,82 v1(25.82,82.05)
  L3_INT2 w0.15: v1(25.82,82.05) 19.55,82.05 12.3,74.8 v1(12.3,71.85)
P0_5: length 31.3
  TOP w0.3: U2.6 29.66,86.78 29.66,86.78 29.66,85.76 v1(30.98,84.45) 32.15,84.45 33.52,83.08 33.52,78.67 35.7,76.5 36.57,76.5 RN10.4 ; J3.4 17.81,81.13 18.11,81.43 v1(18.11,82.19)
  L3_INT2 w0.15: v1(18.11,82.19) 20.38,84.45 v1(30.98,84.45)
P0_6: length 119.4
  TOP w0.3: v1(18.6,77.9) 17.91,78.59 J3.6 ; RN11.6 49.4,75.62 v1(48.9,75.12) ; v1(47.45,34.9) 55.4,34.9 56.19,35.69 J8.1
  L3_INT2 w0.15: v1(29.32,37.4) 37.5,37.4 39.45,35.45 46.9,35.45 v1(47.45,34.9)
  L5_INT4 w0.15: v1(48.9,75.12) 46.58,72.8 46.58,55.98 47.4,55.15 47.4,34.95 v1(47.45,34.9) ; v1(29.32,37.4) 29.32,42.78 20.07,52.03 20.07,76.42 v1(18.6,77.9)
P0_7: length 75.4
  TOP w0.3: v1(19.6,75.2) 18.73,76.08 16.02,76.08 J3.8 ; 37.78,56.98 37.78,58.28 38.55,59.05 v1(38.62,59.05) ; v1(48.9,83.3) 48.93,83.27 RN3.5
  L3_INT2 w0.15: v1(48.9,83.3) 48.65,83.05 45.95,83.05 43.23,80.33 38.88,80.33 v1(38.3,79.75) ; v1(38.62,59.05) 38.6,59.08 19.68,59.08 v1(19.6,59)
  L5_INT4 w0.15: v1(19.6,59) v1(19.6,75.2) ; v1(38.3,79.75) 38.31,79.74 38.31,63.56 38.62,63.25 v1(38.62,59.05)
P0_8: length 79.2
  TOP w0.3: J3.10 14.06,73.51 13.72,73.17 13.72,72.92 v1(13.4,72.6) ; RN3.6 v1(48.9,84.12) ; v1(34.46,58.61) 35.24,57.83 35.24,56.98
  L3_INT2 w0.15: v1(16.05,57) 20.65,57 22.32,58.67 34.37,58.67 34.43,58.61 v1(34.46,58.61) ; v1(34.95,80.22) 35.02,80.3 38.2,80.3 38.72,80.83 43.05,80.83 45.83,83.6 48.38,83.6 v1(48.9,84.12)
  L5_INT4 w0.15: v1(34.46,58.61) 34.46,79.74 v1(34.95,80.22) ; v1(13.4,72.6) 13.4,68.85 13.25,68.7 13.25,59.8 v1(16.05,57)